# Allegro board zp-dic_pda_8ch_board_v001_166_20241018_1809.brd (continued)
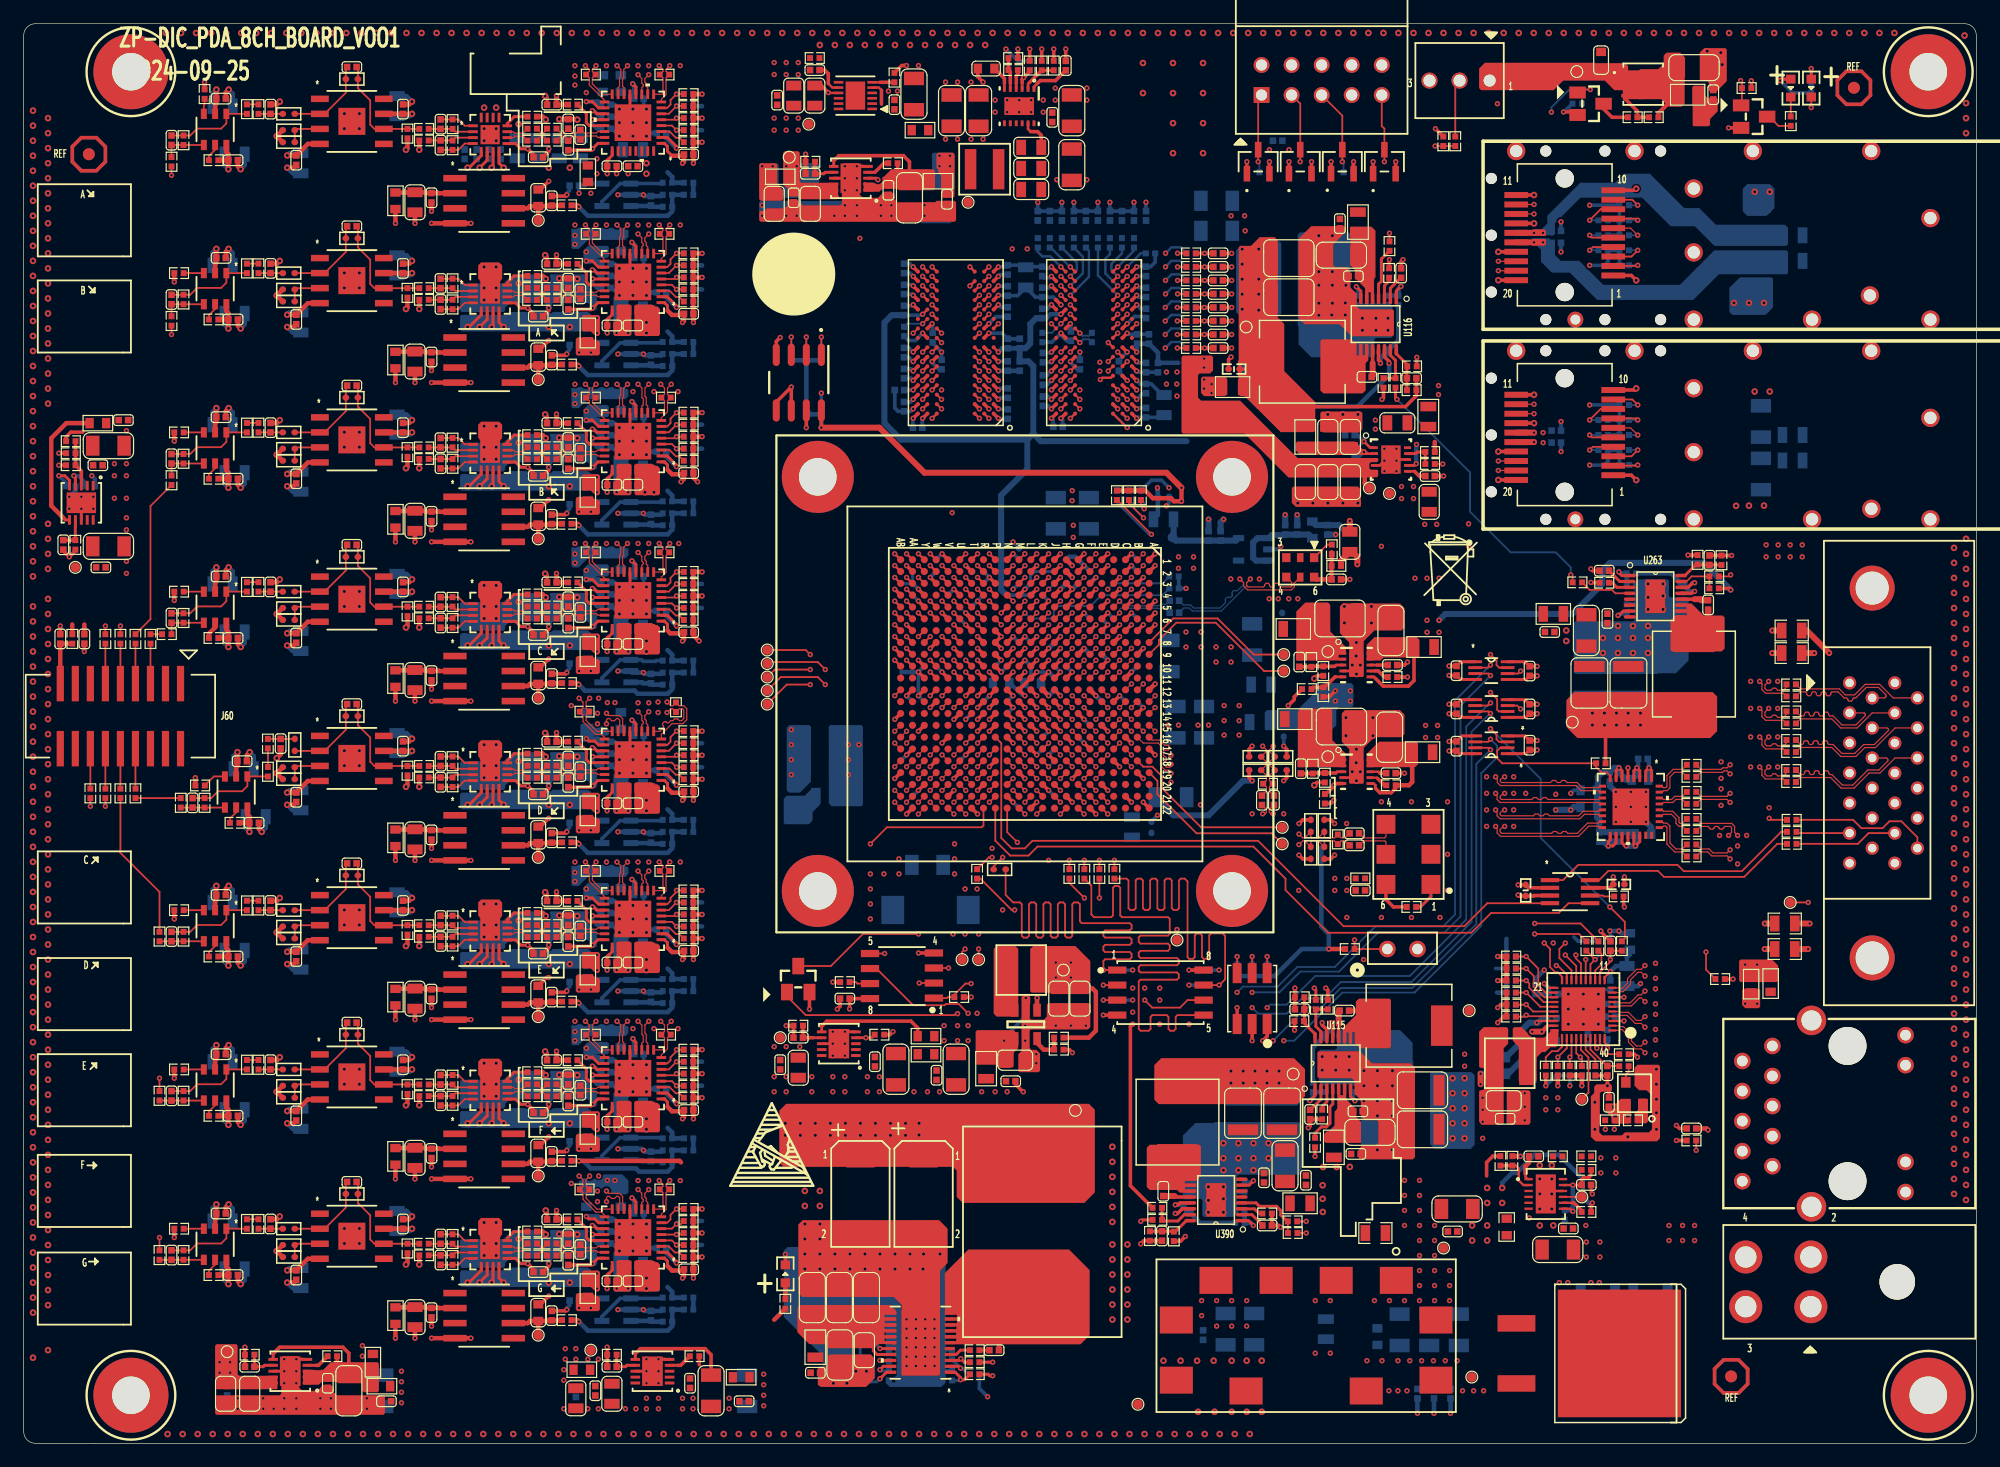
[diagram p0: board, top side]
## Placement (name value [footprint] x y rotation side) (continued)
R2225  0  [R0402]  149.36 58.44 180 top
R2226  0  [R0402]  149.36 59.45 180 top
R2227  0  [R0402]  149.36 55.9 180 top
R2228  0  [R0402]  149.36 56.91 180 top
R2229  1K  [R0402]  125.7 36.07 0 top
R2230  1K_DNP  [R0402]  125.7 41.15 0 top
R2231  1K  [R0402]  125.7 37.08 0 top
R2232  1K  [R0402]  125.7 41.15 180 bottom
R2233  1K_DNP  [R0402]  125.7 36.07 180 bottom
R2234  1K_DNP  [R0402]  125.7 37.08 180 bottom
R2235  1K_DNP  [R0402]  125.7 39.12 0 top
R2236  1K_DNP  [R0402]  125.7 38.1 0 top
R2237  1K  [R0402]  125.7 39.12 180 bottom
R2238  1K  [R0402]  125.7 38.1 180 bottom
R2239  1K_DNP  [R0402]  125.7 40.13 180 bottom
R2240  1K  [R0402]  125.7 40.13 0 top
R2242  1K_DNP  [R0402]  129.63 31.5 90 top
R2244  1K  [R0402]  130.65 31.5 90 top
R2245  1K_DNP  [R0402]  131.67 31.5 90 top
R2247  1K  [R0402]  133.06 42.04 90 bottom
R2248  4.7K  [R0402]  129.63 31.5 270 bottom
R2249  4.7K  [R0402]  131.67 31.5 270 bottom
R2250  4.7K_DNP  [R0402]  130.65 31.5 270 bottom
R2251  4.7K  [R0402]  128.62 31.5 270 top
R2252  100K  [R0402]  134.08 42.04 270 bottom
R2253  0_DNP  [R0402]  135.46 70.51 270 bottom
R2254  49.9K  [R0402]  66.47 108.33 180 top
R2598  4.7K  [R0402]  134.79 46.23 0 top
R2651  0  [R0402]  10.71 68 270 top
R2652  0  [R0402]  9.44 68 270 top
R2653  0  [R0402]  8.17 68 270 top
R2654  0  [R0402]  6.9 68 270 top
R2659  10K  [R0402]  4.11 68 270 top
R2666  0_DNP  [R0402]  3.98 83.69 0 top
R2668  10K_DNP  [R0402]  5.63 80.9 180 bottom
R2670  0  [R0402]  3.98 84.71 0 top
R2671  10K  [R0402]  3.98 82.68 180 top
R2672  100K  [R0402]  4.36 75.95 270 top
R2674  10K_DNP  [R0402]  16.05 68.07 180 top
R2676  0  [R0402]  13.13 71.99 0 top
R2677  10K  [R0402]  42.97 71.76 180 top
R2679  33  [R0402]  19.84 72.39 270 top
R2681  33  [R0402]  42.97 70.74 0 top
R2684  0  [R0402]  44.62 70.74 0 top
R2688  33_DNP  [R0402]  32.43 70.32 90 top
R2690  33  [R0402]  42.97 69.72 0 top
R2691  0  [R0402]  44.62 69.72 0 top
R2692  49.9K  [R0402]  13.51 69.76 90 top
R2696  10K_DNP  [R0402]  17.83 52.45 180 top
R2697  0  [R0402]  14.91 55.61 0 top
R2698  10K  [R0402]  42.97 58.29 180 top
R2700  33  [R0402]  20.63 59.14 90 top
R2704  33  [R0402]  42.97 57.28 0 top
R2705  0  [R0402]  44.62 57.28 0 top
R2709  33_DNP  [R0402]  32.43 56.86 90 top
R2711  33  [R0402]  42.97 56.26 0 top
R2712  0  [R0402]  44.62 56.26 0 top
R2713  49.9K  [R0402]  15.29 54.14 90 top
R2716  10K_DNP  [R0402]  16.05 81.53 180 top
R2718  0  [R0402]  13.13 85.45 0 top
R2719  10K  [R0402]  42.97 85.22 180 top
R2721  33  [R0402]  19.84 85.85 270 top
R2725  33  [R0402]  42.97 84.2 0 top
R2726  0  [R0402]  44.62 84.2 0 top
R2730  33_DNP  [R0402]  32.43 83.78 90 top
R2732  33  [R0402]  42.97 83.19 0 top
R2733  0  [R0402]  44.62 83.19 0 top
R2734  49.9K  [R0402]  13.51 83.22 90 top
R2737  10K_DNP  [R0402]  16.05 41.15 180 top
R2739  0  [R0402]  13.13 45.07 0 top
R2740  10K  [R0402]  42.97 44.83 180 top
R2741  33  [R0402]  19.84 45.47 270 top
R2746  33  [R0402]  42.97 43.82 0 top
R2747  0  [R0402]  44.62 43.82 0 top
R2751  33_DNP  [R0402]  32.43 43.4 90 top
R2753  33  [R0402]  42.97 42.8 0 top
R2754  0  [R0402]  44.62 42.8 0 top
R2755  49.9K  [R0402]  13.51 42.84 90 top
R2758  10K_DNP  [R0402]  16.05 95 180 top
R2760  0  [R0402]  13.13 98.91 0 top
R2761  10K  [R0402]  42.97 98.68 180 top
R2764  33  [R0402]  19.84 99.31 270 top
R2766  33  [R0402]  42.97 97.66 0 top
R2768  0  [R0402]  44.62 97.66 0 top
R2772  33_DNP  [R0402]  32.43 97.24 90 top
R2774  33  [R0402]  42.97 96.65 0 top
R2775  0  [R0402]  44.62 96.65 0 top
R2776  49.9K  [R0402]  13.51 96.69 90 top
R2779  10K_DNP  [R0402]  16.05 27.69 180 top
R2781  0  [R0402]  13.13 31.6 0 top
R2782  10K  [R0402]  42.97 31.37 180 top
R2783  33  [R0402]  19.84 32 270 top
R2788  33  [R0402]  42.97 30.35 0 top
R2789  0  [R0402]  44.62 30.35 0 top
R2793  33_DNP  [R0402]  32.43 29.93 90 top
R2795  33  [R0402]  42.97 29.34 0 top
R2796  0  [R0402]  44.62 29.34 0 top
R2797  49.9K  [R0402]  13.51 29.38 90 top
R2800  10K_DNP  [R0402]  16.05 108.46 180 top
R2802  0  [R0402]  15.29 114.05 270 top
R2803  10K  [R0402]  42.97 112.14 180 top
R2805  33  [R0402]  19.84 112.78 270 top
R2808  33  [R0402]  42.97 111.13 0 top
R2810  0  [R0402]  44.62 111.13 0 top
R2814  33_DNP  [R0402]  32.43 110.71 90 top
R2816  33  [R0402]  42.97 110.11 0 top
R2817  0  [R0402]  44.62 110.11 0 top
R2818  49.9K  [R0402]  13.51 110.15 90 top
R2821  10K_DNP  [R0402]  16.05 14.22 180 top
R2823  0  [R0402]  13.13 18.14 0 top
R2824  10K  [R0402]  42.97 17.91 180 top
R2827  33  [R0402]  19.84 18.54 270 top
R2830  33  [R0402]  42.97 16.89 0 top
R2831  0  [R0402]  44.62 16.89 0 top
R2835  33_DNP  [R0402]  32.43 16.47 90 top
R2837  33  [R0402]  42.97 15.88 0 top
R2838  0  [R0402]  44.62 15.88 0 top
R2839  49.9K  [R0402]  13.51 15.91 90 top
R3010  10K  [R0402]  118.84 83.79 180 top
R3011  0  [R0402]  118.84 82.78 0 top
R3012  100  [R0402]  54.15 75.31 180 top
R3013  100  [R0402]  47.93 75.31 180 top
R3014  0  [R0402]  56.18 69.6 180 top
R3015  0_NP  [R0402]  56.18 73.66 180 top
R3016  1K  [R0402]  56.18 73.66 180 bottom
R3017  0_NP  [R0402]  56.18 72.64 180 top
R3018  1K  [R0402]  56.18 72.64 180 bottom
R3019  0_NP  [R0402]  56.18 71.63 180 top
R3020  1K  [R0402]  56.18 71.63 180 bottom
R3021  0  [R0402]  56.18 70.61 180 top
R3022  1K_NP  [R0402]  56.18 70.61 180 bottom
R3026  0  [R0402]  46.4 72.77 180 top
R3028  0  [R0402]  54.4 64.14 0 bottom
R3029  0  [R0402]  54.4 66.17 180 bottom
R3030  49.9_DNP  [R0402]  54.4 65.15 180 bottom
R3031  0_NP  [R0402]  56.18 66.17 180 bottom
R3032  0_NP  [R0402]  56.18 65.15 0 bottom
R3033  100  [R0402]  55.12 62.22 270 top
R3034  100  [R0402]  47.39 61.85 180 top
R3035  0  [R0402]  56.18 56.13 180 top
R3036  0_NP  [R0402]  56.18 60.2 180 top
R3037  1K  [R0402]  56.18 60.2 180 bottom
R3038  0_NP  [R0402]  56.18 59.18 180 top
R3039  1K  [R0402]  56.18 59.18 180 bottom
R3040  0_NP  [R0402]  56.18 58.17 180 top
R3041  1K  [R0402]  56.18 58.17 180 bottom
R3042  0  [R0402]  56.18 57.15 180 top
R3043  1K_NP  [R0402]  56.18 57.15 180 bottom
R3047  0  [R0402]  46.4 59.31 180 top
R3049  0  [R0402]  54.4 50.67 0 bottom
R3050  0  [R0402]  54.4 52.71 180 bottom
R3051  49.9_DNP  [R0402]  54.4 51.69 180 bottom
R3052  0_NP  [R0402]  56.18 52.71 180 bottom
R3053  0_NP  [R0402]  56.18 51.69 0 bottom
R3054  100  [R0402]  54.28 88.39 180 top
R3055  100  [R0402]  47.93 88.39 180 top
R3056  0  [R0402]  56.18 83.06 180 top
R3057  0_NP  [R0402]  56.18 87.12 180 top
R3058  1K  [R0402]  56.18 87.12 180 bottom
R3059  0_NP  [R0402]  56.18 86.11 180 top
R3060  1K  [R0402]  56.18 86.11 180 bottom
R3061  0_NP  [R0402]  56.18 85.09 180 top
R3062  1K  [R0402]  56.18 85.09 180 bottom
R3063  0  [R0402]  56.18 84.07 180 top
R3064  1K_NP  [R0402]  56.18 84.07 180 bottom
R3068  0  [R0402]  46.4 86.23 180 top
R3070  0  [R0402]  54.4 77.6 0 bottom
R3071  0  [R0402]  54.4 79.63 180 bottom
R3072  49.9_DNP  [R0402]  54.4 78.61 180 bottom
R3073  0_NP  [R0402]  56.18 79.63 180 bottom
R3074  0_NP  [R0402]  56.18 78.61 0 bottom
R3075  100  [R0402]  54.15 48.39 180 top
R3076  100  [R0402]  47.93 48.39 180 top
R3077  0  [R0402]  56.18 42.67 180 top
R3078  0_NP  [R0402]  56.18 46.74 180 top
R3079  1K  [R0402]  56.18 46.74 180 bottom
R3080  0_NP  [R0402]  56.18 45.72 180 top
R3081  1K  [R0402]  56.18 45.72 180 bottom
R3082  0_NP  [R0402]  56.18 44.7 180 top
R3083  1K  [R0402]  56.18 44.7 180 bottom
R3084  0  [R0402]  56.18 43.69 180 top
R3085  1K_NP  [R0402]  56.18 43.69 180 bottom
R3089  0  [R0402]  46.4 45.85 180 top
R3091  0  [R0402]  54.4 37.21 0 bottom
R3092  0  [R0402]  54.4 39.24 180 bottom
R3093  49.9_DNP  [R0402]  54.4 38.23 180 bottom
R3094  0_NP  [R0402]  56.18 39.24 180 bottom
R3095  0_NP  [R0402]  56.18 38.23 0 bottom
R3096  100  [R0402]  47.93 102.24 180 top
R3097  100  [R0402]  54.15 102.24 180 top
R3098  0  [R0402]  56.18 96.52 180 top
R3099  0_NP  [R0402]  56.18 100.58 180 top
R3100  1K  [R0402]  56.18 100.58 180 bottom
R3101  0_NP  [R0402]  56.18 99.57 180 top
R3102  1K  [R0402]  56.18 99.57 180 bottom
R3103  0_NP  [R0402]  56.18 98.55 180 top
R3104  1K  [R0402]  56.18 98.55 180 bottom
R3105  0  [R0402]  56.18 97.54 180 top
R3106  1K_NP  [R0402]  56.18 97.54 180 bottom
R3110  0  [R0402]  46.4 99.7 180 top
R3112  0  [R0402]  54.4 91.06 0 bottom
R3113  0  [R0402]  54.4 93.09 180 bottom
R3114  49.9_DNP  [R0402]  54.4 92.08 180 bottom
R3115  0_NP  [R0402]  56.18 93.09 180 bottom
R3116  0_NP  [R0402]  56.18 92.08 0 bottom
R3117  100  [R0402]  54.28 34.54 180 top
R3118  100  [R0402]  47.93 34.54 180 top
R3119  0  [R0402]  56.18 29.21 180 top
R3120  0_NP  [R0402]  56.18 33.27 180 top
R3121  1K  [R0402]  56.18 33.27 180 bottom
R3122  0_NP  [R0402]  56.18 32.26 180 top
R3123  1K  [R0402]  56.18 32.26 180 bottom
R3124  0_NP  [R0402]  56.18 31.24 180 top
R3125  1K  [R0402]  56.18 31.24 180 bottom
R3126  0  [R0402]  56.18 30.23 180 top
R3127  1K_NP  [R0402]  56.18 30.23 180 bottom
R3131  0  [R0402]  46.4 32.39 180 top
R3133  0  [R0402]  54.4 23.75 0 bottom
R3134  0  [R0402]  54.4 25.78 180 bottom
R3135  49.9_DNP  [R0402]  54.4 24.77 180 bottom
R3136  0_NP  [R0402]  56.18 25.78 180 bottom
R3137  0_NP  [R0402]  56.18 24.77 0 bottom
R3138  100  [R0402]  54.15 115.7 180 top
R3139  100  [R0402]  47.93 115.7 180 top
R3140  0  [R0402]  56.18 109.98 180 top
R3141  0_NP  [R0402]  56.18 114.05 180 top
R3142  1K  [R0402]  56.18 114.05 180 bottom
R3143  0_NP  [R0402]  56.18 113.03 180 top
R3144  1K  [R0402]  56.18 113.03 180 bottom
R3145  0_NP  [R0402]  56.18 112.01 180 top
R3146  1K  [R0402]  56.18 112.01 180 bottom
R3147  0  [R0402]  56.18 111 180 top
R3148  1K_NP  [R0402]  56.18 111 180 bottom
R3152  0  [R0402]  46.4 113.16 180 top
R3154  0  [R0402]  54.4 104.52 0 bottom
R3155  0  [R0402]  54.4 106.55 180 bottom
R3156  49.9_DNP  [R0402]  54.4 105.54 180 bottom
R3157  0_NP  [R0402]  56.18 106.55 180 bottom
R3158  0_NP  [R0402]  56.18 105.54 0 bottom
R3159  100  [R0402]  54.15 21.46 180 top
R3160  100  [R0402]  47.39 21.46 180 top
R3161  0  [R0402]  56.18 15.75 180 top
R3162  0_NP  [R0402]  56.18 19.81 180 top
R3163  1K  [R0402]  56.18 19.81 180 bottom
R3164  0_NP  [R0402]  56.18 18.8 180 top
R3165  1K  [R0402]  56.18 18.8 180 bottom
R3166  0_NP  [R0402]  56.18 17.78 180 top
R3167  1K  [R0402]  56.18 17.78 180 bottom
R3168  0  [R0402]  56.18 16.76 180 top
R3169  1K_NP  [R0402]  56.18 16.76 180 bottom
R3173  0  [R0402]  46.4 18.92 180 top
R3175  0  [R0402]  54.4 10.29 0 bottom
R3176  0  [R0402]  54.4 12.32 180 bottom
R3177  49.9_DNP  [R0402]  54.4 11.3 180 bottom
R3178  0_NP  [R0402]  56.18 12.32 180 bottom
R3179  0_NP  [R0402]  56.18 11.3 0 bottom
R3180  1K  [R0402]  3.98 80.9 180 bottom
R3188  10K  [R0402]  95.79 19.91 0 top
R3189  0  [R0402]  107.22 18.77 180 top
R3191  1M  [R0402]  95.17 17.53 270 top
R3192  0_DNP  [R0402]  102.78 18.64 180 bottom
R3193  0  [R0402]  102.78 19.65 0 bottom
R3195  52.3K  [R0402]  105.08 19.43 0 top
R3196  0_DNP  [R0402]  103.18 21.67 90 bottom
R3197  169K  [R0402]  97.19 17.5 270 top
R3198  0_DNP  [R0402]  107.23 17.78 180 top
R3200  0_DNP  [R0402]  87.04 116.46 270 top
R3201  0  [R0402]  95.79 18.89 0 top
R3203  24.9K  [R0402]  19.1 7.49 180 top
R3204  10K_DNP  [R0402]  26.08 7.37 0 top
R3205  0  [R0402]  73.58 115.44 270 top
R3206  24.9K  [R0402]  66.85 117.09 180 top
R3207  0  [R0402]  12.09 68.4 0 top
R3208  0  [R0402]  13.27 54.14 270 top
R3209  0  [R0402]  12.49 81.41 90 top
R3210  0  [R0402]  11.48 42.84 270 top
R3211  0  [R0402]  12.49 94.87 90 top
R3212  0  [R0402]  11.48 29.38 270 top
R3213  0  [R0402]  12.49 108.33 90 top
R3214  0  [R0402]  11.48 15.91 270 top
R3215  1K  [R0402_BGA]  22.4 69.6 180 top
R3216  2K  [R0402_BGA]  27.73 74.93 0 top
R3217  2K  [R0402_BGA]  22.4 70.61 0 top
R3218  1K  [R0402_BGA]  22.4 71.99 0 top
R3219  2K  [R0402_BGA]  27.73 61.47 0 top
R3220  1K  [R0402_BGA]  22.91 59.04 270 top
R3221  1K  [R0402_BGA]  22.4 56.13 180 top
R3222  2K  [R0402_BGA]  22.4 57.15 0 top
R3223  2K  [R0402_BGA]  27.73 88.39 0 top
R3224  1K  [R0402_BGA]  22.4 85.45 0 top
R3225  1K  [R0402_BGA]  22.4 83.06 180 top
R3226  2K  [R0402_BGA]  22.4 84.07 0 top
R3227  2K  [R0402_BGA]  27.73 48.01 0 top
R3228  1K  [R0402_BGA]  22.4 45.07 0 top
R3229  1K  [R0402_BGA]  22.4 42.67 180 top
R3230  2K  [R0402_BGA]  22.4 43.69 0 top
R3231  2K  [R0402_BGA]  27.73 101.85 0 top
R3232  1K  [R0402_BGA]  22.4 98.91 0 top
R3233  1K  [R0402_BGA]  22.4 96.52 180 top
R3234  2K  [R0402_BGA]  22.4 97.54 0 top
R3235  2K  [R0402_BGA]  27.73 34.54 0 top
R3236  1K  [R0402_BGA]  22.4 31.6 0 top
R3237  1K  [R0402_BGA]  22.4 29.21 180 top
R3238  2K  [R0402_BGA]  22.4 30.23 0 top
R3239  2K  [R0402_BGA]  27.73 115.32 0 top
R3240  1K  [R0402_BGA]  22.4 112.38 0 top
R3241  1K  [R0402_BGA]  22.4 109.98 180 top
R3242  2K  [R0402_BGA]  22.4 111 0 top
R3243  2K  [R0402_BGA]  27.73 21.08 0 top
R3244  1K  [R0402_BGA]  22.4 18.14 0 top
R3245  1K  [R0402_BGA]  22.4 15.75 180 top
R3246  2K  [R0402_BGA]  22.4 16.76 0 top
R3251  0  [R0402]  5.63 54.94 90 top
R3252  0  [R0402]  6.9 54.94 90 top
R3253  0  [R0402]  8.17 54.94 90 top
R3254  0  [R0402]  9.44 54.94 90 top
R3255  10K_DNP  [R0402]  73.45 108.2 180 top
R3256  100  [R0402]  33.83 70.72 0 top
R3257  100  [R0402]  33.83 69.74 0 top
R3258  100  [R0402]  36.24 71.12 90 top
R3259  100  [R0402]  36.24 69.34 270 top
R3260  100  [R0402]  36.24 57.66 90 top
R3261  100  [R0402]  33.83 57.26 0 top
R3262  100  [R0402]  33.83 56.28 0 top
R3263  100  [R0402]  36.24 55.88 270 top
R3264  100  [R0402]  36.24 84.58 90 top
R3265  100  [R0402]  33.83 84.18 0 top
R3266  100  [R0402]  33.83 83.2 0 top
R3267  100  [R0402]  36.24 82.8 270 top
R3268  100  [R0402]  36.24 44.2 90 top
R3269  100  [R0402]  33.83 43.8 0 top
R3270  100  [R0402]  33.83 42.82 0 top
R3271  100  [R0402]  36.24 42.42 270 top
R3272  100  [R0402]  36.24 98.04 90 top
R3273  100  [R0402]  33.83 97.64 0 top
R3274  100  [R0402]  33.83 96.67 0 top
R3275  100  [R0402]  36.24 96.27 270 top
R3276  100  [R0402]  36.24 30.73 90 top
R3277  100  [R0402]  33.83 30.33 0 top
R3278  100  [R0402]  33.83 29.36 0 top
R3279  100  [R0402]  36.24 28.96 270 top
R3280  100  [R0402]  36.24 111.51 90 top
R3281  100  [R0402]  33.83 111.11 0 top
R3282  100  [R0402]  33.83 110.13 0 top
R3283  100  [R0402]  36.24 109.73 270 top
R3284  100  [R0402]  36.24 17.27 90 top
R3285  100  [R0402]  33.83 16.87 0 top
R3286  100  [R0402]  33.83 15.89 0 top
R3287  100  [R0402]  36.24 15.49 270 top
REF  -  [unnamed]  5.51 108.97 0 top
REF#2  -  [unnamed]  154.66 114.58 0 top
REF#3  -  [unnamed]  144.28 5.66 0 top
REF#4  -  [unnamed]  144.28 5.66 180 bottom
REF#5  -  [unnamed]  5.51 108.97 180 bottom
REF#6  -  [unnamed]  154.66 114.58 180 bottom
TP20  TP  [TP0_8]  131.67 29.08 270 top
TP37  TP  [TP0_8]  122.37 5.6 0 top
TP38  TP  [TP0_8]  119.98 16.51 0 top
TP39  TP  [TP0_8]  94.15 3.3 0 top
TP40  TP  [TP0_8]  131.67 20.83 0 top
TP41  TP  [TP0_8]  88.87 28.14 0 top
TP43  TP  [TP0_8]  122.14 36.58 90 top
TP44  TP  [TP0_8]  103.3 94.36 270 top
TP45  TP  [TP0_8]  130.86 60.96 0 top
TP47  TP  [TP0_8]  110.2 58.04 180 top
TP48  TP  [TP0_8]  113.71 80.75 0 top
TP49  TP  [TP0_8]  115.41 80.29 0 top
TP52  TP  [TP0_8]  110.2 66.93 180 top
TP58  TP  [TP0_8]  87.85 40.01 180 top
TP62  TP  [TP0_8]  64.69 108.71 180 top
TP64  TP  [TP0_8]  63.93 34.29 180 top
TP68  TP  [TP0_8]  47.93 7.87 180 top
TP69  TP  [TP0_8]  131.24 115.95 180 top
TP83  TP  [TP0_8]  79.8 104.9 90 top
TP102  TP  [TP0_8]  106.35 52.07 0 top
TP103  TP  [TP0_8]  106.35 50.67 0 top
TP104  TP  [TP0_8]  80.69 40.89 0 top
TP105  TP  [TP0_8]  79.29 40.89 0 top
TP112  TP  [TP0_8]  97.46 42.55 0 top
TP116  TP  [TP0_8]  62.83 65.91 270 top
TP133  TP  [TP0_8]  62.83 67.06 270 top
TP134  TP  [TP0_8]  62.83 62.48 270 top
TP135  TP  [TP0_8]  62.83 64.77 270 top
TP136  TP  [TP0_8]  62.83 63.63 270 top
TP138  TP  [TP0_8]  149.27 45.72 90 top
TP146  TP  [TP0_8]  97.07 76.58 90 bottom
TP147  TP  [TP0_8]  43.48 62.99 180 top
TP148  TP  [TP0_8]  43.48 49.53 180 top
TP149  TP  [TP0_8]  43.48 76.45 180 top
TP150  TP  [TP0_8]  43.48 36.07 180 top
TP151  TP  [TP0_8]  43.48 89.92 180 top
TP152  TP  [TP0_8]  43.48 22.61 180 top
TP153  TP  [TP0_8]  43.48 103.38 180 top
TP154  TP  [TP0_8]  43.48 9.14 180 top
TP158  TP  [TP0_8]  106.47 65.28 0 top
TP159  TP  [TP0_8]  106.47 66.68 0 top
TP163  TP  [TP0_8]  4.36 74.04 270 top
TP164  TP  [TP0_8]  107.27 31.22 180 top
TP165  TP  [TP0_8]  17.19 7.75 180 top
TP166  TP  [TP0_8]  66.34 111.51 180 top
U1  XC7K70T-2FBG484I  [XC7K70T2FBG484I]  84.6 64.19 270 top
U23  -  [TPS51200DRC]  115.54 83.16 0 top
U49  SN74LVC2T45DCUR  [SN74LVC2T45_VSSOP8]  124.02 62.11 180 top
U75  MT41K512M16VRP-107 IT:P  [MT41K512M16VRP]  78.76 93.04 180 top
U76  MT41K512M16VRP-107 IT:P  [MT41K512M16VRP]  90.45 93.04 180 top
U79  TMP75BID_DNP  [TMP75BID]  65.5 89.66 270 top
U93  -  [RTL8211FI-CG]  131.79 36.7 180 top
U94  25MHz  [ECS-2520MV]  136.11 29.59 270 top
U102  MT25QU128ABA1ESE-0SIT  [W25Q128JWSIQ]  96.06 38.1 270 top
U103  SIT5021AI-2DE-33E-100.000000X  [SIT5021]  117.01 49.78 90 top
U111  QPI-12LZ-01  [QPI-12LZ]  108.37 9.1 180 top
U112  -  [LT4356HDE-1]  128.62 21.08 0 top
U113  -  [TPS53353DQP]  75.79 8.51 180 top
U115  LT8610ACEMSE  [LT8610AC]  110.87 32.12 0 top
U116  LT8610ACEMSE  [LT8610AC]  114.24 94.6 180 top
U118  -  [TPS7A9201DSKR]  112.62 56.77 0 top
U119  -  [TPS7A9201DSKR]  112.62 65.79 0 top
U124  -  [TLV62565DBVR]  84.68 35.41 270 top
U127  Value  [LT3045EDD]  69.9 106.93 180 top
U129  Value  [LT3045EDD]  68.88 33.78 180 top
U133  Value  [LT3045EDD]  53.13 6.1 180 top
U134  ATS-08D-51-C2-R0_DNP  [ATS-08D-51-C2-R0]  84.6 64.19 270 top
U154  -  [TXS0102DCT]  130.67 46.63 0 top
U236  -  [TPS63710DRRR]  84.12 113.03 270 top
U263  LT8610ACEMSE  [LT8610AC]  137.88 71.6 270 top
U270  156.25MHz  [SMD-3225]  107.87 74.04 180 top
U271  Value  [DS90LV804TSQ]  135.81 53.8 270 top
U272  ADP150AUJZ-1.8-R7  [ADP150AUJZ]  103.93 75.57 180 bottom
U273  25AA512T-I/SN_DNP  [25AA512T]  74.21 39.5 90 top
U275  ADR4540BRZ  [ADR4525BRZ]  38.91 64.64 0 top
U276  ADR4540BRZ  [ADR4525BRZ]  38.91 51.18 0 top
U277  ADR4540BRZ  [ADR4525BRZ]  38.91 78.11 0 top
U278  ADR4540BRZ  [ADR4525BRZ]  38.91 37.72 0 top
U280  ADR4540BRZ  [ADR4525BRZ]  38.91 91.57 0 top
U281  ADR4540BRZ  [ADR4525BRZ]  38.91 24.26 0 top
U282  ADR4540BRZ  [ADR4525BRZ]  38.91 105.03 0 top
U283  ADR4540BRZ  [ADR4525BRZ]  38.91 10.8 0 top
U286  SN74LVC2T45DCUR  [SN74LVC2T45_VSSOP8]  124.02 59.05 180 top
U287  SN74LVC2T45DCUR  [SN74LVC2T45_VSSOP8]  124.02 65.32 0 top
U341  Value  [LT3045EDD]  4.87 79.5 270 top
U342  -  [LTC6268IS6-10]  16.18 70.68 270 top
U343  -  [ADA4625-1ARDZ]  27.73 71.35 0 top
U344  -  [ADA4945-1ACPZ]  39.42 70.23 0 top
U345  -  [ADA4945-1ACPZ]  39.42 56.77 0 top
U346  -  [LTC6268IS6-10]  17.95 55.05 270 top
U347  -  [ADA4625-1ARDZ]  27.73 57.89 0 top
U348  -  [ADA4625-1ARDZ]  27.73 84.82 0 top
U349  -  [ADA4945-1ACPZ]  39.42 83.69 0 top
U350  -  [LTC6268IS6-10]  16.18 84.14 270 top
U351  -  [ADA4625-1ARDZ]  27.73 44.43 0 top
U352  -  [ADA4945-1ACPZ]  39.42 43.31 0 top
U353  -  [LTC6268IS6-10]  16.18 43.75 270 top
U354  -  [LTC6268IS6-10]  16.18 97.6 270 top
U355  -  [ADA4945-1ACPZ]  39.42 97.16 0 top
U356  -  [ADA4625-1ARDZ]  27.73 98.28 0 top
U357  -  [LTC6268IS6-10]  16.18 30.29 270 top
U358  -  [ADA4625-1ARDZ]  27.73 30.97 0 top
U359  -  [ADA4945-1ACPZ]  39.42 29.85 0 top
U360  -  [ADA4945-1ACPZ]  39.42 110.62 0 top
U361  -  [LTC6268IS6-10]  16.18 111.06 270 top
U362  -  [ADA4625-1ARDZ]  27.73 111.74 0 top
U363  -  [LTC6268IS6-10]  16.18 16.83 270 top
U364  -  [ADA4945-1ACPZ]  39.42 16.38 0 top
U365  -  [ADA4625-1ARDZ]  27.73 17.51 0 top
U366  AD7960BCPZ  [CP_32_7_ADI]  51.48 71.25 180 top
U368  AD8031ARTZ-REEL7  [RJ_5_ADI]  50.08 65.28 180 bottom
U369  AD7960BCPZ  [CP_32_7_ADI]  51.48 57.79 180 top
U371  AD8031ARTZ-REEL7  [RJ_5_ADI]  50.08 51.69 180 bottom
U372  AD7960BCPZ  [CP_32_7_ADI]  51.48 84.71 180 top
U374  AD8031ARTZ-REEL7  [RJ_5_ADI]  50.08 78.61 180 bottom
U375  AD7960BCPZ  [CP_32_7_ADI]  51.48 44.32 180 top
U377  AD8031ARTZ-REEL7  [RJ_5_ADI]  50.08 38.23 180 bottom
U378  AD7960BCPZ  [CP_32_7_ADI]  51.48 98.17 180 top
U380  AD8031ARTZ-REEL7  [RJ_5_ADI]  50.08 92.08 180 bottom
U381  AD7960BCPZ  [CP_32_7_ADI]  51.48 30.86 180 top
U383  AD8031ARTZ-REEL7  [RJ_5_ADI]  50.08 24.89 180 bottom
U384  AD7960BCPZ  [CP_32_7_ADI]  51.48 111.63 180 top
U386  AD8031ARTZ-REEL7  [RJ_5_ADI]  50.08 105.54 180 bottom
U387  AD7960BCPZ  [CP_32_7_ADI]  51.48 17.4 180 top
U389  AD8031ARTZ-REEL7  [RJ_5_ADI]  50.08 11.3 180 bottom
U390  LT8610ACEMSE  [LT8610AC]  100.76 20.57 90 top
U391  Value  [LT3045EDD]  22.53 6.1 180 top
U392  -  [LT3094EDD]  70.28 113.92 180 top

## Library data of the parts
C2 C13-C15 C22 C23 C97 C426 C427 C430 C431 C462 C463 C491 C492 C505 C524-C527 C546-C548 C552-C555 C641 C839 C842 C847 C849 C851-C853 C864 C1184-C1186 C1491 C1492 C2256 C2413 C2482 C2491 C2493 C2494 C3012 C3068 C3069 C3088 C3089 C3091-C3094 C3096 C3097 C3101 C3104 C3106 C3108 C3110-C3112 C3114-C3117 C3119 C3120 C3124 C3127 C3129 C3131 C3133-C3135 C3137-C3140 C3142 C3143 C3147 C3150 C3152 C3154 C3156-C3158 C3160-C3163 C3165 C3166 C3170 C3173 C3175 C3177 C3179-C3181 C3183-C3186 C3188 C3189 C3193 C3196 C3198 C3200 C3202-C3204 C3206-C3209 C3211 C3212 C3216 C3219 C3221 C3223 C3225-C3227 C3229-C3232 C3234 C3235 C3239 C3242 C3244 C3246 C3248-C3250 C3252-C3255 C3257 C3258 C3262 C3265 C3267 C3269 C3271 C3396 C3398 C3400 C3402 C3404 C3406 C3408 C3410 C3514 C3515 C3523-C3536 = 0_1UF_0
C114 C115 C1153-C1156 C1178 C1197 C1205 C1215 C1230 C2084 C2085 C2092-C2094 C2490 C2492 C3385 = 22UF_0
C123 = 47UF_0: signal model: SR0402-BGA_0
C143 C425 C521 C549 C1172-C1174 C1181 C1193-C1196 C1198-C1201 C1232 C1233 C3388-C3391 = 47UF_0
C144 C146 C153 C155 C165 C166 C401 C403 C408-C410 C415 C417-C420 C434 C438 C440 C441 C494 C495 C506-C508 C510 C511 C514-C516 C522 C523 C528-C536 C538-C543 C550 C551 C556-C565 C567-C573 C865 C1151 C1340 C2477 C2483 C2486 C2488 C2495 C3015 C3418 C3424 = 4_7UF_0
C161 C162 C400 C407 C414 C437 C493 = 100UF_0
C187 C520 C544 C545 C930 C989 C990 C1135 C1136 C1145 C1146 C1148 C1152 C1159 C1176 C1177 C1179 C1180 C1182 C1183 C1187 C1188 C1190-C1192 C1203 C1204 C1206-C1209 C1216 C1231 C1234 C1256 C1277 C1282 C1298 C1301 C1338 C1348 C2086 C2088 C2450 C2469 C2470 C2472-C2474 C2476 C2480 C2481 C2485 C2487 C2489 C2971 C2973 C2976 C2978 C2980 C2982 C2984 C2986 C2990 C2992 C2994 C2996 C2998 C3000 C3002 C3004 C3009-C3011 C3036-C3041 C3079 C3081 C3084 C3087 C3272-C3278 C3280 C3283-C3292 C3294 C3297-C3306 C3308 C3311-C3320 C3322 C3325-C3334 C3336 C3339-C3348 C3350 C3353-C3362 C3364 C3367-C3376 C3378 C3381-C3384 C3386 C3387 C3392 C3393 C3412 C3414 C3417 C3420 C3423 C3426 C3428 = 0_01UF_0
C224 C640 C1157 = 4_7UF_1
C250 C566 C841 C846 C850 C1257-C1259 C1281 C1300 C1341 C3016 C3017 C3021 C3415 C3416 C3421 C3422 C3425 C3427 = 10UF_1
C271 C1140 = 1000PF_0
C340-C344 C2089-C2091 C2484 C2974 C2975 C2979 C2983 C2989 C2993 C2997 C3001 C3090 C3095 C3098 C3102 C3103 C3105 C3107 C3109 C3118 C3121 C3125 C3126 C3128 C3130 C3132 C3141 C3144 C3148 C3149 C3151 C3153 C3155 C3164 C3167 C3171 C3172 C3174 C3176 C3178 C3187 C3190 C3194 C3195 C3197 C3199 C3201 C3210 C3213 C3217 C3218 C3220 C3222 C3224 C3233 C3236 C3240 C3241 C3243 C3245 C3247 C3256 C3259 C3263 C3264 C3266 C3268 C3270 C3279 C3293 C3307 C3321 C3335 C3349 C3363 C3377 C3395 C3397 C3399 C3401 C3403 C3405 C3407 C3409 C3516-C3522 = 10UF_0
C642 = 0_01UF_0: signal model: SC0402_100NF/10V
C854 C855 = 0_1UF_0: signal model: SC0402_100NF/10V
C859 = 10UF_1: signal model: SC0402_100NF/10V
C939 C940 = 0_01UF_0: signal model: 0_01UF_0_C0402_0.1UF_0.1UF
C1134 C1137-C1139 C1142 C1147 C1149 C1150 C1339 C1349 C2479 C3050-C3053 C3080 C3086 C3411 C3413 C3419 = 10UF_2
C1144 C1158 C1175 C1189 C1202 C1347 C2087 C2467 C2468 C2471 C2972 C2977 C2981 C2985 C2991 C2995 C2999 C3003 C3394 = 1UF_0